# KiCad board pcb.kicad_pcb (continued)
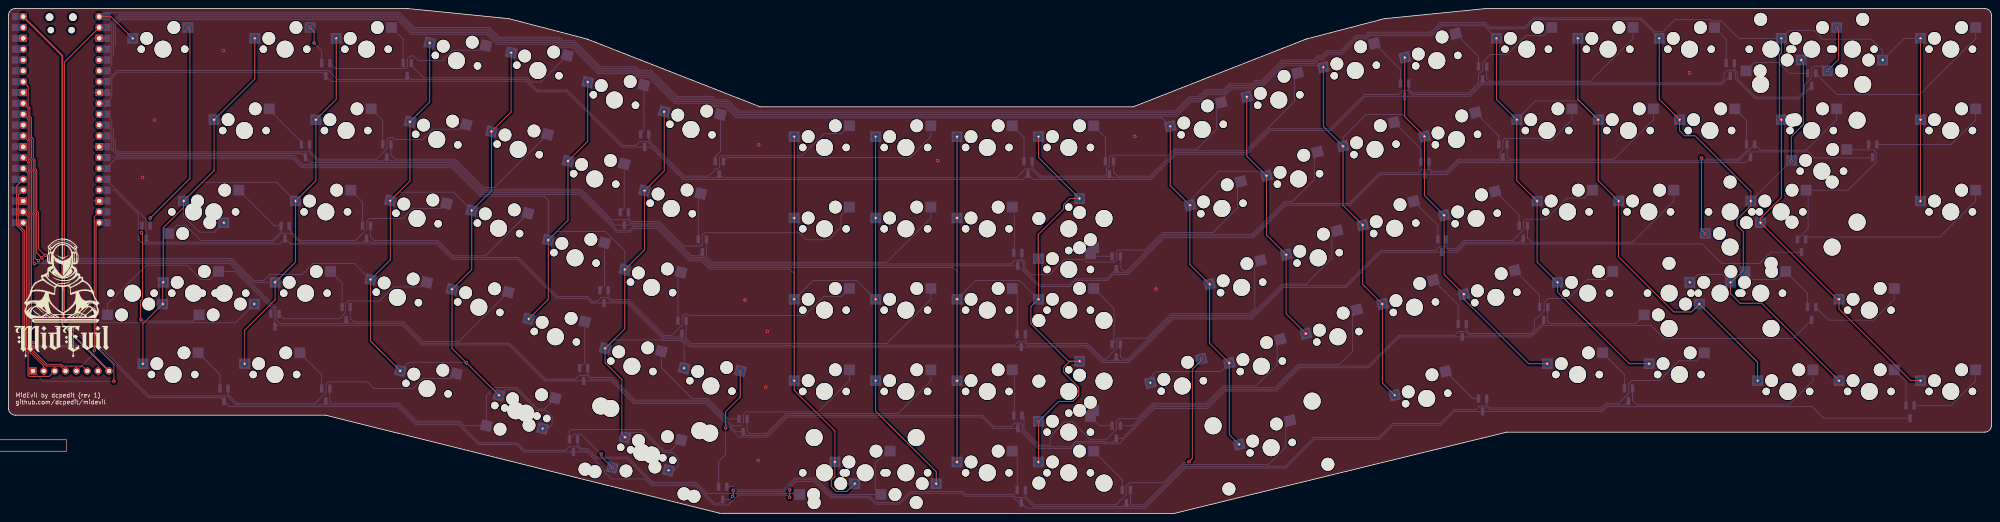
[diagram p0: board, top side]
## Routing (per net, layer and track width the routed paths; a pad name or vN(x,y) marks a point on that pad's centre or on a via; arc(x,y) is an arc through that point)
+5V: length 91.3
  Top w0.381: J1.8 12.57,44.29 12.57,107.23 U1.40
GND:
  vias: v1(31.37,78.71) v1(34.16,92.17) v1(50.29,108.43) v1(172.34,50.01) v1(175.39,12.41) v1(175.51,86.33) v1(177.17,29.56) v1(177.55,42.64) v1(217.42,82.65) v1(263.52,88.36) v1(268.48,52.55) v1(393.32,103.22)
COL0: length 312.4
  Top w0.203: U1.32 4.58,94.9 4.58,92.93 4.98,92.53 4.98,88.02 5.39,87.62 5.39,83.11 5.79,82.71 5.79,80.74 6.19,80.33 6.19,70.74 6.6,70.34 6.6,61.02 v1(7.75,59.87) ; MX40.1 31.43,44.41 MX30.125.1 36.07,54.02 MX30.1 36.19,66.9 40.95,71.67 MX20.1 48.1,80.33 MX10.1 57.62,101.76 MX00.1 ; MX90.1 55.24,42.92 62.38,50.06 62.38,54.13 67.15,58.9 MX70.1 71.91,77.95 MX60.1 76.67,97 MX50.1
  Bottom w0.203: MX20.125.1 48.14,65.88 44.72,65.88 40.93,69.67 40.93,73.16 MX20.1 45.34,77.58 62.75,77.58 MX70.1 ; v1(7.75,59.87) 8.29,59.33 52.06,59.33 57.26,54.13 62.38,54.13
COL1: length 358.8
  Top w0.203: MX51.1 117.6,94.07 MX61.1 112.99,75.58 MX71.1 108.38,57.1 MX81.1 103.77,38.65 v1(107.1,35.32) MX91.1 ; v1(8.56,60.46) 7,62.01 7,70.51 6.6,70.91 6.6,80.5 6.19,80.9 6.19,82.87 5.79,83.28 5.79,87.79 5.39,88.19 5.39,92.7 4.98,93.1 4.98,95.07 4.58,95.47 4.58,99.98 U1.34 ; MX41.1 84.71,40.37 MX31.1 89.32,59.4 MX21.1 93.93,77.88 MX11.1 98.54,96.36 MX01.1
  Bottom w0.203: MX21.1 91.31,75.26 104.09,75.26 MX71.1 ; MX91.1.1 126.27,19.88 127.18,20.78 127.18,22.76 125.88,24.05 123.77,24.05 118.74,29.08 116.18,29.08 MX91.1 ; v1(8.56,60.46) 9.28,59.73 52.23,59.73 57.43,54.54 59.69,54.54 61.14,55.99 68.7,55.99 71.24,58.53 80.97,58.53 MX31.1 ; v1(107.1,35.32) 107.01,35.41 93.64,35.41 MX41.1
COL2: length 334.7
  Top w0.203: MX02.1 135.51,87.15 MX12.1 130.9,68.66 MX22.1 126.29,50.18 MX32.1 ; MX42.1 143.5,18.58 143.5,31.38 139.59,35.3 MX82.1 144.2,43.26 MX72.1 148.8,61.74 MX62.1 153.41,80.23 MX52.1
  Bottom w0.203: MX42.225.1 155.73,10.09 156.64,10.99 156.64,12.96 155.31,14.29 153.19,14.29 148.56,18.92 145.28,18.92 MX42.1 ; U1.15 22.81,80.82 25.06,83.07 66.47,83.07 68.57,80.97 103.72,80.97 110.37,74.32 125.35,74.32 126.29,73.38 MX22.1 128.28,66.04 139.67,66.04 144.2,61.51 MX72.1 ; MX92.1 158.07,39.74 157.31,40.5 152.95,40.5 152.82,40.64 141.58,40.64 MX82.1
COL3: length 383.5
  Top w0.203: MX93.1.1 217.05,9.79 202.88,23.96 MX83.1 MX73.1 MX63.1 MX53.1 ; MX43.1 196.15,5.13 193.72,5.13 192.5,6.35 192.5,7.8 193.35,8.65 MX93.1 193.35,19.32 183.83,28.85 MX33.1 MX23.1 MX13.1 MX03.1
  Bottom w0.203: MX73.1 198.49,54.56 188.22,54.56 MX23.1 183.83,56.15 182.75,57.22 164.02,57.22 162.1,59.15 159.26,59.15 151.66,66.75 146.22,66.75 145.37,65.9 142.35,65.9 133.52,74.73 110.53,74.73 103.89,81.37 68.73,81.37 66.63,83.47 21.33,83.47 U1.14
COL4: length 423.9
  Top w0.203: MX44.1 MX34.1 MX24.1 MX14.1 MX04.1 ; MX94.1 240.98,21.37 v1(240.92,21.43) 245.72,26.23 249.03,26.23 250.41,27.6 250.41,29.55 246.84,33.12 246.84,34.16 248.33,35.66 MX84.1.1 247.98,35.66 239.2,44.44 239.2,48.39 MX74.1 240.98,59.47 v1(240.92,59.53) 240.92,65.33 246.84,71.25 246.84,72.26 248.33,73.76 MX64.1.1 240.98,83.38 MX54.1
  Bottom w0.203: MX74.1 236.59,54.56 226.32,54.56 MX24.1 221.93,56.68 220.98,57.63 164.19,57.63 162.27,59.55 159.43,59.55 151.83,67.15 146.05,67.15 145.2,66.3 142.52,66.3 133.69,75.13 110.7,75.13 104.06,81.78 68.9,81.78 66.8,83.88 25.44,83.88 24.16,85.15 24.16,87.05 22.77,88.44 U1.12
COL5: length 456.7
  Top w0.203: MX85.1 298.94,46.75 MX75.1 294.33,65.23 MX65.1 289.72,83.72 MX55.1 ; MX95.1 285.64,18.46 MX35.1 281.03,39.83 MX25.1 276.42,58.32 MX15.1 271.81,76.8 MX05.1
  Bottom w0.203: MX15.1 276.42,73.32 283.25,80.14 293.3,80.14 MX65.1 ; MX45.1 267.15,31.9 268.51,33.26 283.67,33.26 MX35.1 ; MX05.1 269.83,92.66 170.23,92.66 167.62,95.26 164.96,95.26 164.13,96.09 155.8,96.09 149.71,102.18 147.05,102.18 146.23,103.01 137.89,103.01 131.8,109.1 129.15,109.1 128.32,109.93 114.21,109.93 111.91,112.23 94.24,112.23 90.79,115.68 26.32,115.68 24.97,114.32 24.97,109.81 24.56,109.41 24.56,107.44 24.16,107.03 24.16,105.06 22.77,103.68 U1.6
COL6: length 506.3
  Top w0.203: MX56.1 326.69,92.94 MX66.1 331.3,74.45 MX76.1 335.91,55.97 MX86.1 340.51,50.2 355.64,35.08 MX96.1 ; MX06.1 307.63,90.64 MX16.1 312.24,72.15 MX26.1 316.85,53.67 MX36.1 321.45,30.56 MX46.1
  Bottom w0.203: MX06.1 307.13,105.01 298.45,105.01 293.68,100.24 292.13,100.24 291.31,99.42 286.13,99.42 284.8,98.09 280.54,98.09 278.85,96.4 276.74,96.4 273.39,93.06 170.39,93.06 167.79,95.67 165.13,95.67 164.3,96.49 155.97,96.49 149.88,102.59 147.22,102.59 146.39,103.41 138.06,103.41 131.97,109.5 129.31,109.5 128.49,110.33 114.38,110.33 112.08,112.63 94.41,112.63 90.96,116.08 26.15,116.08 24.56,114.49 24.56,109.98 24.16,109.57 24.16,107.6 22.77,106.22 U1.5 ; MX66.1 326.18,93.44 317.63,93.44 312.24,88.05 MX16.1
COL7: length 572.3
  Top w0.203: MX97.1 409.25,35.44 MX87.1 393.79,47.2 389.63,47.2 376.71,60.12 MX77.1 371.95,77.95 MX67.1 367.18,97 MX57.1 ; 348.13,111.28 348.13,97 MX17.1 352.9,77.95 MX27.1 357.66,58.9 MX37.1 362.42,51.86 379.2,35.08 MX47.1
  Bottom w0.203: MX67.1 367.55,96.63 357.29,96.63 MX17.1 ; 348.13,111.28 345.19,114.23 335.42,114.23 333.12,111.93 318.51,111.93 317.74,111.16 315.59,111.16 312.04,107.61 312.04,107.56 308.82,107.56 307.62,106.37 306.61,106.37 305.66,105.41 298.28,105.41 293.51,100.64 291.96,100.64 291.14,99.82 285.96,99.82 284.63,98.49 280.37,98.49 278.69,96.8 276.57,96.8 273.23,93.46 170.56,93.46 167.95,96.07 165.3,96.07 164.47,96.9 156.14,96.9 150.04,102.99 147.39,102.99 146.56,103.82 138.23,103.82 132.14,109.91 129.48,109.91 128.65,110.74 114.55,110.74 112.25,113.03 94.58,113.03 91.13,116.48 25.99,116.48 24.16,114.65 24.16,110.14 22.77,108.76 U1.4
COL8: length 662.9
  Top w0.203: MX08.1 386.23,97 MX18.1 391,89.63 392.16,88.47 394.63,88.47 407.67,75.43 MX28.1 407.67,72.15 404.43,68.91 404.43,67.47 405.89,66.01 405.89,56.94 403.08,54.13 MX38.125.1 402.9,51.5 405.15,49.25 410.17,49.25 MX48.1 ; MX58.1 419.94,105.72 419.94,91.08 417.13,88.28 v1(417.13,82.55) 417.03,82.55 ; U1.2 13.07,105.69 13.07,45.35 v1(13.36,45.05)
  Bottom w0.203: MX08.1 381.84,115.68 356.99,115.68 354.86,113.54 346.45,113.54 345.36,114.63 335.25,114.63 332.95,112.33 318.34,112.33 317.57,111.56 315.42,111.56 311.82,107.96 308.65,107.96 307.46,106.77 306.44,106.77 305.49,105.82 298.11,105.82 293.34,101.04 291.8,101.04 290.98,100.22 285.79,100.22 284.47,98.9 280.21,98.9 278.52,97.21 276.4,97.21 273.06,93.87 170.73,93.87 168.12,96.47 165.46,96.47 164.64,97.3 156.3,97.3 150.21,103.39 147.55,103.39 146.73,104.22 138.4,104.22 132.3,110.31 129.65,110.31 128.82,111.14 114.71,111.14 112.42,113.44 94.74,113.44 91.3,116.88 25.82,116.88 22.77,113.84 U1.2 ; v1(13.36,45.05) 13.75,44.66 53.11,44.66 MX78.1 ; MX38.125.1 401.05,55.99 395.23,55.99 MX38.1 ; MX28.2.1 MX28.1
COL9: length 605.1
  Top w0.203: U1.1 23.95,116.38 MX79.1 ; MX09.1 414.81,107.87 414.33,107.39 414.33,92.72 MX19.1 414.81,74.02 409.93,69.14 MX19.1.1 427.87,50.17 MX39.1 428.3,47.9 445.08,31.12 MX49.1 ; MX29.1 MX69.1 MX59.1
  Bottom w0.203: MX59.1 443.58,111.28 MX09.1.1 438.5,108.47 435.89,111.09 424.55,111.09 422.5,113.14 416.66,113.14 MX09.1 404.83,111.28 400.74,115.38 398.53,115.38 398.23,115.68 389.94,115.68 387.1,112.84 385.25,112.84 382.01,116.08 356.83,116.08 354.69,113.94 346.62,113.94 345.53,115.03 335.08,115.03 332.78,112.73 318.18,112.73 317.41,111.96 315.25,111.96 311.66,108.37 308.48,108.37 307.29,107.17 306.28,107.17 305.32,106.22 297.95,106.22 293.18,101.45 291.63,101.45 290.81,100.63 285.63,100.63 284.3,99.3 280.04,99.3 278.35,97.61 276.23,97.61 272.89,94.27 170.89,94.27 168.29,96.88 165.63,96.88 164.8,97.7 156.47,97.7 150.38,103.8 147.72,103.8 146.89,104.62 138.56,104.62 132.47,110.71 129.81,110.71 128.99,111.54 114.88,111.54 112.58,113.84 94.91,113.84 91.46,117.29 22.12,117.29 U1.1
LCD_CS: length 48.1
  Top w0.203: U1.22 4.58,69.5 4.58,39.35 9.01,34.92 12.35,34.92 12.75,34.52 17.26,34.52 J1.6
LCD_DC: length 40.8
  Top w0.203: J1.4 12.18,34.52 8.84,34.52 4.18,39.19 4.18,67.37 U1.21
LCD_LED: length 59.1
  Top w0.203: v1(24.64,30.96) 24.65,30.96 24.65,34.9 20.46,39.08 20.46,67.37 U1.20
  Bottom w0.203: J1.1 8.13,30.96 v1(24.64,30.96)
LCD_RST: length 39.5
  Top w0.203: v1(20.07,38.2) 20.06,38.2 20.06,69.5 U1.19
  Bottom w0.203: v1(20.07,38.2) 20.07,37.56 J1.5
LCD_SCK: length 45.3
  Top w0.203: J1.2 8.26,34.54 3.77,39.02 3.77,66.17 3.3,66.64 3.27,66.64 2.28,67.64 2.28,74.58 U1.24
LCD_SDA: length 54.5
  Top w0.203: J1.3 9.53,32.1 4.83,32.1 4.56,32.36 4.56,37.66 3.37,38.85 3.37,65.98 1.87,67.47 1.87,76.72 U1.25
ROW0: length 408.8
  Bottom w0.203: U1.9 22.77,96.06 24.16,97.44 24.16,101.95 25.54,103.33 73.38,103.33 D1.3 75.48,101.23 121.12,101.23 123.57,98.77 130.56,98.77 143.52,85.81 D11.3 150.23,85.81 157.83,78.21 237.29,78.21 D21.3 239.79,78.21 267.35,78.21 273.26,84.12 289.64,84.12 291.59,86.07 291.59,86.08 295.23,89.71 309.45,89.71 317.46,97.72 D31.3 341.96,97.72 344.68,100.44 400.8,100.44 D41.3
ROW1: length 416.8
  Bottom w0.203: D42.3 406.35,82.18 339.51,82.18 336.71,79.38 D32.3 320.96,79.38 313.82,72.23 298.96,72.23 291.34,64.61 270.51,64.61 261.88,55.99 258.49,55.99 257.06,54.56 249.84,54.56 248.46,53.18 241.01,53.18 D22.3 164.36,58.03 162.43,59.95 159.6,59.95 152,67.56 D12.3 141.84,67.56 133.86,75.53 110.87,75.53 104.22,82.18 70.72,82.18 D2.3 68.62,84.28 25.61,84.28 24.56,85.32 24.56,87.21 24.16,87.62 24.16,89.59 22.77,90.98 U1.11
ROW2: length 434
  Bottom w0.203: U1.17 24.74,75.74 30.35,70.13 30.35,64.24 31.46,63.13 63.45,63.13 D3.3 65.96,63.13 100.16,63.13 103.76,59.53 119.13,59.53 128.27,50.39 135.38,50.39 136.47,49.3 D13.3 144.72,49.3 153.12,40.9 157.48,40.9 159.4,38.98 D23.3 252.2,38.98 255.83,35.35 262.2,35.35 272.42,45.56 290.96,45.56 298.32,52.93 312.93,52.93 321.21,61.21 D33.3 338.99,61.21 340.91,63.13 396.31,63.13 400.91,58.53 409.69,58.53 412.38,61.21 D43.3
ROW3: length 486.6
  Top w0.203: U1.29 4.58,87.28 4.58,82.77 4.98,82.37 4.98,80.4 5.39,80 5.39,70.41 5.79,70.01 5.79,58.81 v1(6.09,58.52)
  Bottom w0.203: v1(6.09,58.52) 6.1,58.53 51.73,58.53 62.17,48.09 62.17,43.9 D4.3 62.66,44.08 92.03,44.08 96.65,39.47 117.09,39.47 125.52,31.04 D14.3 141.01,31.04 146.3,25.75 163.07,25.75 170.93,17.89 177.56,17.89 182.25,22.57 227.71,22.57 230.35,19.93 D24.3 240.88,15.21 248.59,15.21 249.84,16.46 256.13,16.46 256.29,16.3 259.88,16.3 268.18,24.61 280.67,24.61 284.73,28.67 296.67,28.67 302.13,34.13 318.26,34.13 325.49,41.36 D34.3 356.31,41.36 359.03,44.08 384.26,44.08 387.35,40.99 417.56,40.99 D44.3
ROW4: length 517.1
  Top w0.203: v1(5.97,38.96) 4.98,39.94 4.98,69.67 4.58,70.07 4.58,79.66 U1.26 ; v1(182.75,3.78) 182.77,3.8 v1(182.77,5.54)
  Bottom w0.203: v1(182.75,3.78) 182.23,4.3 170.71,4.3 168.42,2.01 165.03,2.01 160.57,6.48 150.47,6.48 148.84,8.1 141.04,8.1 139.42,9.72 139.42,10.23 135.28,14.38 D15.3 120.59,14.38 118.85,16.12 109.96,16.12 105.28,20.8 95.25,20.8 91.02,25.03 51.67,25.03 D5.3 49.57,27.13 32.72,27.13 31.91,27.94 20.89,38.96 v1(5.97,38.96) ; D45.3 424.7,22.31 421.98,25.03 374.06,25.03 372.93,23.9 D35.3 338.38,23.9 335.15,20.67 323.98,20.67 320.67,17.37 305.56,17.37 298.83,10.64 275.34,10.64 265.92,1.22 238.2,1.22 D25.3 236.45,2.47 234.91,4.01 223.86,4.01 223.14,4.73 211.12,4.73 208.58,2.19 202.82,2.19 201.37,3.64 192.34,3.64 188.49,7.49 184.31,7.49 182.77,5.96 v1(182.77,5.54)
ROW5: length 434.5
  Bottom w0.203: D46.3 418.92,97.12 408.69,97.12 404.11,101.7 404.11,103.16 403.55,103.73 402.14,103.73 401.34,102.93 401.34,101.55 400.63,100.84 345.75,100.84 D36.3 344.9,101.23 341.79,98.12 328.29,98.12 327.39,99.03 326.14,99.03 325.23,98.12 317.29,98.12 309.29,90.12 295.06,90.12 289.78,84.84 289.78,84.84 289.48,84.53 273.09,84.53 267.18,78.61 258.44,78.61 D26.3 256.74,78.61 241.34,78.61 239.24,80.71 237.97,80.71 235.87,78.61 167.15,78.61 D16.3 165.46,78.61 158,78.61 149.55,87.06 147.66,87.06 146.81,86.22 143.68,86.22 130.72,99.18 123.74,99.18 121.28,101.63 94.17,101.63 93.32,102.48 D6.3 92.43,101.63 77.02,101.63 75.18,103.47 75.18,103.48 74.93,103.73 25.37,103.73 22.77,101.14 U1.7
ROW6: length 453.8
  Bottom w0.203: U1.10 22.77,93.52 24.16,92.13 24.16,90.16 24.56,89.75 24.56,87.79 24.97,87.38 24.97,85.49 25.77,84.68 70.17,84.68 72.27,82.58 87.67,82.58 D7.3 89.37,82.58 104.39,82.58 111.04,75.94 134.03,75.94 141.15,68.81 144.78,68.81 145.63,67.96 152.16,67.96 159.76,60.36 161.49,60.36 D17.3 162.34,60.62 164.52,58.43 234.57,58.43 235.42,59.28 236.86,59.28 237.44,58.7 237.44,57.32 241.17,53.58 248.29,53.58 249.67,54.96 256.9,54.96 D27.3 260.02,56.39 261.72,56.39 270.34,65.01 291.17,65.01 298.79,72.63 313.65,72.63 320.79,79.78 329.82,79.78 330.67,80.63 332.11,80.63 332.87,79.87 332.87,79.85 332.94,79.78 336.54,79.78 339.35,82.58 348.81,82.58 D37.3 350.51,82.58 404.8,82.58 406.9,84.68 421.11,84.68 422.51,83.28 436.03,83.28 D47.3
ROW7: length 371.8
  Bottom w0.203: U1.16 22.77,78.28 32.16,68.89 D48.3 33.01,63.53 61.9,63.53 64,65.63 65.91,65.63 68.01,63.53 82.91,63.53 D8.3 83.76,64.29 84.52,63.53 100.33,63.53 103.93,59.93 119.29,59.93 128.44,50.79 135.55,50.79 136.64,49.7 137.77,49.7 138.62,50.55 140.02,50.55 140.87,49.7 144.89,49.7 153.29,41.31 156.73,41.31 D18.3 157.58,41.38 159.57,39.38 235.38,39.38 236.23,40.23 237.48,40.23 238.33,39.38 252.37,39.38 256,35.75 258.33,35.75 D28.3 259.18,36.58 260,35.75 262.04,35.75 272.25,45.96 290.79,45.96 298.16,53.33 312.76,53.33 321.04,61.61 333.93,61.61 334.78,62.46 336.08,62.46 336.93,61.61 338.82,61.61 340.74,63.53 353.58,63.53 D38.3
ROW8: length 428
  Top w0.203: v1(6.98,59.23) 6.78,59.23 6.19,59.81 6.19,70.17 5.79,70.58 5.79,80.17 5.39,80.57 5.39,82.54 4.98,82.94 4.98,87.45 4.58,87.85 4.58,92.36 U1.31
  Bottom w0.203: v1(6.98,59.23) 7.28,58.93 51.9,58.93 62.57,48.25 62.57,45.49 63.58,44.48 78.15,44.48 D9.3 79.84,44.48 92.2,44.48 96.81,39.87 117.26,39.87 125.68,31.45 132.7,31.45 133.55,32.3 135.31,32.3 136.16,31.45 141.18,31.45 146.47,26.15 163.24,26.15 170.25,19.14 D19.3 172.71,18.29 177.39,18.29 182.08,22.98 227.88,22.98 230.52,20.33 234.61,20.33 235.45,21.18 236.86,21.18 237.18,20.86 237.18,19.47 241.05,15.61 248.42,15.61 249.67,16.86 256.29,16.86 256.45,16.7 258.33,16.7 D29.3 260.56,17.55 268.02,25.01 280.5,25.01 284.57,29.07 296.5,29.07 301.97,34.53 318.09,34.53 325.33,41.77 338.45,41.77 339.3,42.61 340.91,42.61 341.76,41.77 356.14,41.77 359.19,44.81 D39.3
ROW9: length 454.1
  Top w0.203: U1.27 4.58,82.2 4.58,80.23 4.98,79.83 4.98,70.24 5.39,69.84 5.39,40.43 5.8,40.02 v1(5.9,40.02) ; v1(169.55,5.4) 169.55,4.13 v1(169.42,4)
  Bottom w0.203: v1(169.55,5.4) 169.84,5.11 181.35,5.11 184.14,7.9 188.66,7.9 192.51,4.04 201.54,4.04 202.99,2.59 208.41,2.59 210.95,5.13 223.31,5.13 224.03,4.42 235.07,4.42 235.77,3.72 237.65,3.72 239.75,1.62 260.71,1.62 D30.3 262,2.02 262,2 262.38,1.62 265.75,1.62 275.17,11.04 298.66,11.04 305.39,17.77 320.51,17.77 323.81,21.07 334.99,21.07 338.22,24.3 343.35,24.3 344.2,25.15 345.66,25.15 346.51,24.3 372.76,24.3 373.89,25.43 378.18,25.43 D40.3 ; v1(5.9,40.02) 6.56,39.36 21.06,39.36 32.89,27.53 51.12,27.53 53.21,25.44 53.21,25.43 73.38,25.43 D10.3 75.08,25.43 91.18,25.43 95.42,21.2 105.45,21.2 110.12,16.53 119.01,16.53 120.76,14.78 130.38,14.78 131.23,15.63 133.01,15.63 133.86,14.78 135.45,14.78 137.43,12.8 144.72,12.8 150.63,6.88 160.74,6.88 165.2,2.41 166.25,2.41 D20.3 168.68,3.26 v1(169.42,4)
Net-(MX00-ROW): length 9.5
  Top w0.203: v1(70.55,113.82) 71.5,112.87 v1(71.5,110.2)
  Bottom w0.203: v1(71.5,110.2) 73.28,108.42 D1.1
Net-(MX01-ROW): length 41.3
  Bottom w0.203: MX01.2 110.64,108.52 103.94,108.52 101.48,106.06 95.84,106.06 94.74,107.16 93.95,107.16 93.34,106.55 93.34,104.54 93.03,104.23 76.43,104.23 D1.2
Net-(MX02-ROW): length 11.9
  Bottom w0.203: MX02.2 148.66,89.58 147.89,88.81
Net-(MX03-ROW): length 58.1
  Bottom w0.203: MX03.2 194.9,88.95 190.82,88.95 185.65,83.78 166.62,83.78 166.37,83.53 166.37,81.12 165.99,80.74 165.55,80.74 163.83,79.02 158.16,79.02 149.79,87.39 D11.2
Net-(MX04-ROW): length 9.5
  Bottom w0.203: MX04.2 237.59,88.07 D21.1
Net-(MX05-ROW): length 58.7
  Bottom w0.203: D21.2 239.49,81.04 241.51,79.02 256.47,79.02 256.89,79.44 256.89,80.71 257.56,81.38 257.56,83.43 258.04,83.92 271.34,83.92 272.76,85.33 278.03,85.33 282.69,90 282.69,95.22 MX05.2
Net-(MX06-ROW): length 11.9
  Bottom w0.203: MX06.2 325.69,103.97 325.69,100.72
Net-(MX07-ROW): length 43.8
  Bottom w0.203: MX07.2 359.21,111.97 355.13,111.97 350.68,107.52 346.73,107.52 344.93,105.72 344.93,103.79 343.92,102.78 343.92,100.81 341.63,98.53 328.46,98.53 327.59,99.39 D31.2
Net-(MX08-ROW): length 9.5
  Bottom w0.203: MX08.2 401.89,111.09 D41.1
Net-(MX09-ROW): length 43.6
  Top w0.203: v1(425.58,103.73) 428.2,106.35 428.2,113.3 v1(427.74,113.76)
  Bottom w0.203: MX09.1.2 v1(425.58,103.73) 424.56,104.74 422.53,104.74 421.89,104.1 421.89,102.08 420.25,100.43 420.25,99.02 418.75,97.53 408.85,97.53 404.52,101.86 404.52,103.33 403.79,104.05 D41.2
Net-(MX10-ROW): length 11.4
  Bottom w0.203: D2.1 68.52,86.98 61.02,94.48 MX10.2
Net-(MX11-ROW): length 43.9
  Bottom w0.203: MX11.2 106,90.01 99.31,90.01 96.87,87.58 90.32,87.58 89.79,88.11 89.19,88.11 88.52,87.43 88.52,85.43 86.08,82.99 72.44,82.99 70.42,85 D2.2
Net-(MX12-ROW): length 11.7
  Bottom w0.203: D12.1 144.05,71.48 MX12.2
Net-(MX13-ROW): length 63.9
  Bottom w0.203: D12.2 145.03,69.13 145.8,68.36 152.33,68.36 158.05,62.64 161.99,62.64 162.31,62.96 162.31,65.18 162.88,65.75 185.02,65.75 186.67,64.1 191.85,64.1 194.77,67.02 194.77,69.77 MX13.2
Net-(MX14-ROW): length 11
  Bottom w0.203: D22.1 235.32,61.14 235.32,71.29 MX14.2
Net-(MX15-ROW): length 68.9
  Bottom w0.203: D22.2 237.11,59.6 237.84,58.87 237.84,57.49 239.4,55.92 243.52,55.92 247.09,59.5 251.5,59.5 252.09,58.9 258.84,58.9 259.21,59.27 259.21,61.27 259.62,61.69 265.88,61.69 270.01,65.82 281.81,65.82 287.53,71.54 287.53,76.96 MX15.2
Net-(MX16-ROW): length 11.9
  Bottom w0.203: MX16.2 330.46,85.33 D32.1
Net-(MX17-ROW): length 45.2
  Bottom w0.203: D32.2 332.36,81 333.17,80.18 336.37,80.18 339.18,82.99 348.65,82.99 348.96,83.3 348.96,84.68 349.63,85.35 349.63,87.4 350.08,87.85 358.51,87.85 359.01,87.35 360.95,87.35 365.82,92.22 MX17.2
Net-(MX18-ROW): length 9.5
  Bottom w0.203: D42.1 406.66,92.04 MX18.2
Net-(MX19-ROW): length 57.4
  Top w0.203: v1(396.11,83.28) 396.11,66.39 v1(397,65.5)
  Bottom w0.203: MX19.2 427.74,92.22 420.6,85.09 409.9,85.09 D42.2 407.21,85.09 406.74,85.09 404.64,82.99 396.41,82.99 v1(396.11,83.28)
Net-(MX20-ROW): length 44.1
  Bottom w0.203: MX20.2 62.22,67.38 D3.1 63.76,65.95 61.74,63.94 44.98,63.94 41.5,67.42 39.28,67.42 MX20.125.2
Net-(MX21-ROW): length 43.5
  Bottom w0.203: D3.2 65.66,66.45 68.17,63.94 81.18,63.94 83.82,66.58 83.82,68.45 84.47,69.09 92.24,69.09 94.61,71.47 101.34,71.47 MX21.2
Net-(MX22-ROW): length 11.5
  Bottom w0.203: MX22.2 139.45,53.38 D13.1
Net-(MX23-ROW): length 67.7
  Bottom w0.203: MX23.2 194.9,50.85 190.8,50.85 186.34,46.4 159.24,46.4 158.93,46.7 158.12,46.7 157.61,46.19 157.61,44.14 155.18,41.71 153.45,41.71 145.06,50.11 141.04,50.11 140.27,50.87 D13.2
Net-(MX24-ROW): length 11.2
  Bottom w0.203: D23.1 236,51.56 MX24.2
Net-(MX25-ROW): length 75
  Bottom w0.203: MX25.2 291.61,57.95 291.61,47.92 290.46,46.77 271.91,46.77 266.21,41.07 259.64,41.07 259.21,40.63 259.21,38.63 256.73,36.15 256.16,36.15 252.53,39.79 238.5,39.79 237.9,40.39 D23.2
Net-(MX26-ROW): length 11.3
  Bottom w0.203: MX26.2 334.43,67.49 D33.1
Net-(MX27-ROW): length 42.9
  Bottom w0.203: D33.2 336.33,62.78 337.09,62.01 338.65,62.01 340.58,63.94 351.98,63.94 354.46,66.41 354.46,68.42 354.97,68.93 359.71,68.93 364.66,73.87 368.73,73.87 MX27.2
Net-(MX28-ROW): length 41.3
  Bottom w0.203: MX28.2.2 430.19,85.18 436.39,85.18 437.01,84.56 437.01,82.3 430.43,75.72 MX28.2 421.06,75.26 421.06,66.7 D43.1
Net-(MX29-ROW): length 46.1
  Bottom w0.203: MX29.2 460.28,73.17 451.85,64.73 420.99,64.73 D43.2
Net-(MX30-ROW): length 51.7
  Bottom w0.203: MX30.125.2 23.15,49.07 32.2,58.12 41.75,58.12 45.05,54.82 47.27,54.82 MX30.2 53.01,56.67 61.38,48.31 D4.1
Net-(MX31-ROW): length 39.8
  Bottom w0.203: D4.2 64.42,45.6 77.38,45.6 78.87,47.09 78.87,49.21 79.41,49.75 86.8,49.75 90.12,53.07 96.82,53.07 MX31.2
Net-(MX32-ROW): length 11.4
  Bottom w0.203: D14.1 134.84,35.27 MX32.2
Net-(MX33-ROW): length 75.7
  Bottom w0.203: MX33.2 196.75,31.1 189.44,23.78 172.51,23.78 171.96,23.24 171.96,21.27 171.23,20.54 169.42,20.54 163.4,26.56 146.64,26.56 141.34,31.85 136.33,31.85 135.51,32.67 D14.2
Net-(MX34-ROW): length 11
  Bottom w0.203: MX34.2 235.32,33.19 235.32,23.04 D24.1
Net-(MX35-ROW): length 84
  Bottom w0.203: MX35.2 296.83,40.08 296.83,34.86 291.85,29.88 284.23,29.88 280.17,25.82 267.68,25.82 264.06,22.19 259.82,22.19 259.21,21.58 259.21,19.69 256.78,17.26 253.17,17.26 249.03,21.4 247.09,21.4 243.71,18.02 243.71,16.01 241.21,16.01 237.59,19.64 237.59,22.45 D24.2
Net-(MX36-ROW): length 12.7
  Bottom w0.203: MX36.2 339.19,48.85 D34.1
Net-(MX37-ROW): length 44.3
  Bottom w0.203: MX37.2 373.5,54.82 369.42,54.82 364.96,50.37 360.22,50.37 359.28,49.43 359.28,47.42 357,45.14 357,43.19 355.98,42.17 341.92,42.17 341.09,43.01 D34.2
Net-(MX38-ROW): length 21.5
  Bottom w0.203: MX38.2 408.16,54.82 413.98,54.82 MX38.125.2 420.94,51.56 D44.1
Net-(MX39-ROW): length 24.2
  Bottom w0.203: D44.2 425.9,45.28 436.36,45.28 441.23,50.15 MX39.2
Net-(MX40-ROW): length 10.5
  Bottom w0.203: D5.1 49.47,32.51 MX40.2
Net-(MX41-ROW): length 61.1
  Bottom w0.203: MX41.2 103.64,31.59 96.95,31.59 94.6,29.25 85.47,29.25 83.89,30.83 74.78,30.83 74.3,30.35 74.3,28.34 71.79,25.84 53.39,25.84 51.37,27.85 D5.2
Net-(MX42-ROW): length 45.5
  Top w0.203: v1(141.26,10.75) 138.68,13.33 v1(138.68,13.9)
  Bottom w0.203: v1(138.68,13.9) 138.6,13.9 133.87,18.63 132.48,18.63 D15.1 131.23,19.11 131.19,19.15 131.73,19.69 148.37,19.69 153.36,14.69 154.87,14.69 MX42.2
Net-(MX43-ROW): length 58.1
  Bottom w0.203: D15.2 133.13,16.08 134.03,15.18 135.61,15.18 137.6,13.2 144.89,13.2 150.8,7.28 160.9,7.28 163.48,4.7 184.81,4.7 MX43.2
Net-(MX44-ROW): length 9.6
  Bottom w0.203: MX44.2 236,13.46 D25.1
Net-(MX45-ROW): length 71.2
  Top w0.203: v1(279.08,36.21) 279.08,35.85 276.99,33.75 276.99,12.91 v1(276.22,12.14)
  Bottom w0.203: v1(276.22,12.14) 275.93,11.85 274.83,11.85 270.2,7.21 262.29,7.21 261.49,6.41 261.49,4.4 259.11,2.02 239.92,2.02 237.9,4.04 D25.2
Net-(MX46-ROW): length 10.3
  Bottom w0.203: MX46.2 342.64,26.9 D35.1
Net-(MX47-ROW): length 59.3
  Bottom w0.203: MX47.2 394.93,35.77 390.85,35.77 386.2,31.12 379.87,31.12 379.09,30.35 379.09,28.12 376.81,25.84 373.72,25.84 372.59,24.71 346.67,24.71 345.85,25.53 D35.2
Net-(MX48-ROW): length 9.5
  Bottom w0.203: MX48.2 443.96,30.92 D45.1
Net-(MX49-ROW): length 19.4
  Bottom w0.203: MX49.2 460.28,31.1 454.49,25.31 D45.2
Net-(MX50-ROW): length 9.5
  Bottom w0.203: D6.1 92.33,111.09 MX50.2
Net-(MX51-ROW): length 41.3
  Bottom w0.203: D6.2 94.23,104.93 97.13,102.04 121.45,102.04 122.43,101.06 124.54,101.06 MX51.2
Net-(MX52-ROW): length 11.5
  Bottom w0.203: MX52.2 166.57,84.83 165.36,83.62 D16.1
Net-(MX53-ROW): length 53.5
  Bottom w0.203: D16.2 168.17,83.38 210.93,83.38 215.8,88.25 MX53.2
Net-(MX54-ROW): length 9.5
  Bottom w0.203: MX54.2 256.64,88.07 D26.1
Net-(MX55-ROW): length 59.5
  Bottom w0.203: MX55.2 300.91,102.45 300.91,96.54 289.38,85 289.38,85 289.31,84.93 272.93,84.93 267.01,79.02 259.46,79.02 258.54,79.94 D26.2
Net-(MX56-ROW): length 9.9
  Bottom w0.203: MX56.2 343.95,107.07 D36.1
Net-(MX57-ROW): length 44
  Bottom w0.203: MX57.2 380.11,111.27 370.08,101.24 346.58,101.24 345.85,101.98 D36.2
Net-(MX58-ROW): length 16.3
  Bottom w0.203: MX58.2 408.5,105.63 414.13,105.63 416.66,103.1 D46.1
Net-(MX59-ROW): length 47.5
  Bottom w0.203: D46.2 427.8,98.14 447.18,98.14 460.28,111.24 MX59.2
Net-(MX60-ROW): length 9.5
  Bottom w0.203: MX60.2 87.57,92.04 D7.1
Net-(MX61-ROW): length 47.5
  Bottom w0.203: D7.2 89.47,83.94 90.42,82.99 104.56,82.99 111.21,76.34 113.69,76.34 MX61.2
Net-(MX62-ROW): length 11
  Bottom w0.203: D17.1 161.39,74.38 MX62.2
Net-(MX63-ROW): length 63.9
  Bottom w0.203: D17.2 163.29,60.24 164.69,58.84 205.44,58.84 215.8,69.2 MX63.2
Net-(MX64-ROW): length 7
  Bottom w0.203: D27.1 253.74,60.24 MX64.1.2 253.14,61.47 MX64.2
Net-(MX65-ROW): length 64.1
  Bottom w0.203: MX65.2 305.52,83.96 305.52,78.2 300.35,73.04 298.62,73.04 291,65.42 270.18,65.42 261.55,56.79 260.86,56.79 260.13,57.53 D27.2
Net-(MX66-ROW): length 9.8
  Bottom w0.203: D37.1 348.71,88.43 MX66.2
Net-(MX67-ROW): length 43.8
  Bottom w0.203: MX67.2 384.87,92.22 375.64,82.99 351.15,82.99 350.61,83.53 D37.2
Net-(MX69-ROW): length 28.1
  Bottom w0.203: MX69.2 460.28,92.22 454.49,86.43 D47.2
Net-(MX70-ROW): length 9.5
  Bottom w0.203: MX70.2 82.81,72.99 D8.1
Net-(MX71-ROW): length 45.4
  Bottom w0.203: D8.2 84.71,64.7 85.47,63.94 100.49,63.94 104.09,60.34 111.57,60.34 MX71.2
Net-(MX72-ROW): length 11.6
  Bottom w0.203: D18.1 156.63,55.74 MX72.2
Net-(MX73-ROW): length 68.9
  Bottom w0.203: D18.2 158.53,41 159.74,39.79 205.61,39.79 205.61,39.93 215.8,50.12 MX73.2
Net-(MX74-ROW): length 15.3
  Bottom w0.203: D28.1 258.66,40.04 258.66,47.95 MX74.2
Net-(MX75-ROW): length 69.3
  Bottom w0.203: D28.2 260.13,36.76 260.73,36.15 261.87,36.15 272.08,46.37 290.62,46.37 297.99,53.73 303.6,53.73 309.63,59.76 309.63,64.98 MX75.2
Net-(MX76-ROW): length 10.4
  Bottom w0.203: D38.1 353.48,69.79 MX76.2
Net-(MX77-ROW): length 44.1
  Bottom w0.203: MX77.2 389.64,73.17 380,63.53 356.36,63.53 355.38,64.52 D38.2
Net-(MX78-ROW): length 36.7
  Top w0.203: v1(31.12,65.75) 31.33,65.54 31.33,50.21 30.86,49.74 30.86,45.49 v1(30.99,45.36)
  Bottom w0.203: MX78.2 43.13,45.07 31.23,45.07 30.99,45.31 v1(30.99,45.36) ; v1(31.12,65.75) 31.21,65.85 D48.1
Net-(MX79-ROW): length 50.5
  Top w0.203: v1(33.15,69.18) 42.44,78.47 42.44,113.36 v1(41.97,113.82)
  Bottom w0.203: v1(33.15,69.18) 33.11,69.15 D48.2
Net-(MX80-ROW): length 9.5
  Bottom w0.203: MX80.2 78.04,53.94 D9.1
Net-(MX81-ROW): length 46.6
  Bottom w0.203: MX81.2 105.37,40.27 96.98,40.27 92.37,44.89 80.77,44.89 79.94,45.71 D9.2
Net-(MX82-ROW): length 27
  Bottom w0.203: MX82.2 152.75,34.11 159.89,26.96 163.57,26.96 168.39,22.14 D19.1
Net-(MX83-ROW): length 53.8
  Bottom w0.203: MX83.2 215.8,31.07 208.11,23.38 181.91,23.38 177.22,18.69 173.36,18.69 172.81,19.23 D19.2
Net-(MX84-ROW): length 7.7
  Bottom w0.203: MX84.2 253.14,23.37 MX84.1.2 255.33,20.55 D29.1
Net-(MX85-ROW): length 71.7
  Bottom w0.203: MX85.2 314.42,46.68 314.42,37.91 311.45,34.94 301.8,34.94 296.34,29.48 284.4,29.48 280.34,25.41 267.85,25.41 262.99,20.55 D29.2
Net-(MX86-ROW): length 11
  Bottom w0.203: MX86.2 358.24,51.16 D39.1
Net-(MX87-ROW): length 26.9
  Bottom w0.203: MX87.2 380.68,44.48 360.68,44.48 360.14,45.03 D39.2
Net-(MX90-ROW): length 10.5
  Bottom w0.203: D10.1 73.28,32.51 MX90.2
Net-(MX91-ROW): length 69.1
  Bottom w0.203: D10.2 75.18,26.22 75.56,25.84 91.35,25.84 95.59,21.6 105.62,21.6 106.68,20.54 MX91.1.2 111.8,27.59 113.7,29.48 118.91,29.48 123.93,24.46 125.38,24.46 MX91.2
Net-(MX92-ROW): length 29.2
  Top w0.203: v1(167.78,20.05) 167.78,23.86 171.2,27.27 171.2,33.35 v1(171.23,33.38)
  Bottom w0.203: v1(167.78,20.05) 167.78,13.82 166.15,12.19 D20.1
Net-(MX93-ROW): length 51.7
  Bottom w0.203: MX93.2 205.6,14.61 202.78,11.79 202.78,5.78 MX93.1.2 192.68,4.44 188.82,8.3 183.97,8.3 181.18,5.51 170.43,5.51 169.68,6.26 D20.2
Net-(MX94-ROW): length 11.9
  Bottom w0.203: D30.1 260.61,7.9 MX94.2
Net-(MX95-ROW): length 51.8
  Bottom w0.203: D30.2 262.51,2.41 262.89,2.02 265.58,2.02 275,11.44 294.77,11.44 298.83,15.5 298.83,20.72 MX95.2
Net-(MX96-ROW): length 10.5
  Bottom w0.203: D40.1 378.08,32.51 MX96.2
Net-(MX97-ROW): length 50.4
  Bottom w0.203: MX97.2 422.18,31.07 416.54,25.43 381,25.43 379.98,26.45 D40.2

## Copper pours and planes (outline as drawn; the poured copper is in the pictures)
GND on Top, Bottom: 0,23.02 74.23,23.02 166.31,0 272.67,0 350.46,19.05 463.96,19.05 463.96,118.27 345.69,118.27 321.88,115.89 303.63,111.12 263.14,95.25 175.83,95.25 135.35,111.12 117.09,115.89 93.28,118.27 0,118.27

## Text on the board
F.Silkscreen: MidEvil by dcpedit (rev 1) / github.com/dcpedit/midevil
